# Allegro board pocketbeagle2-revA_241205.brd (continued)
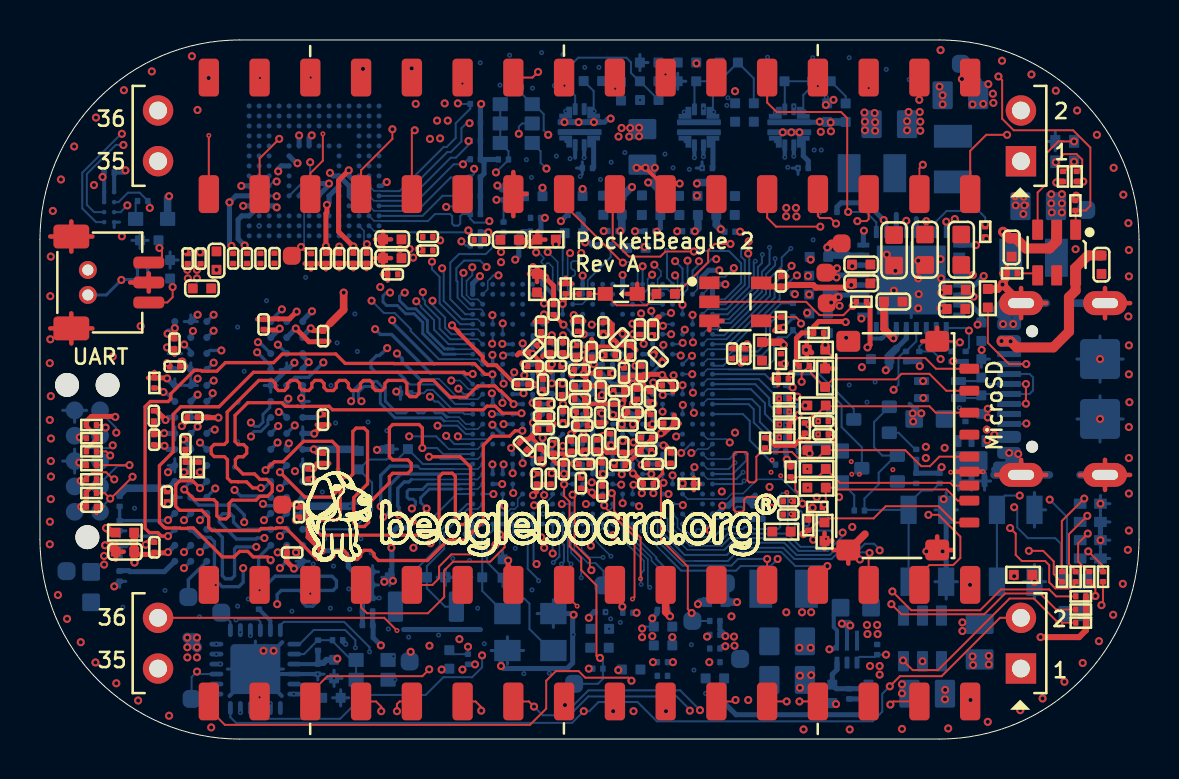
[diagram p0: board, top side]
## Routing (per net, layer and track width the routed paths; a pad name or vN(x,y) marks a point on that pad's centre or on a via; arc(x,y) is an arc through that point) (continued)
  BOTTOM w0.081: U1.AB24 33.41,21.52 34.1,21.52
  BOTTOM w0.102: v1(35.44,24.31) 35.49,24.26 35.49,22.66 34.36,21.52 34.1,21.52
AB25: length 37.3
  LYR2_GND w0.097: v4(11.01,33.09) 11.84,33.93 25.28,33.93 25.82,33.4 29.02,33.4 29.65,32.76 32.19,32.76 33.26,31.7 v2(34.88,31.7)
  LYR9_GND w0.097: v2(34.88,31.7) 35.19,31.39 35.19,30 35.85,29.34 35.85,24.26 35.8,24.21 v3(35.8,23.93)
  BOTTOM w0.102: U1.AB25 34.41,21.27 35.72,22.58 35.72,23.85 v3(35.8,23.93)
AC20: length 8.4
  TOP w0.102: v1(29.17,23.85) 29.14,23.85 26.23,26.76 P2.19
  BOTTOM w0.081: v1(29.17,23.85) 29.19,23.87 29.49,23.87 29.91,23.46 29.91,22.07 30.21,21.77 U1.AC20
AC21: length 53.9
  TOP w0.102: v1(22.08,1.42) 22.08,1.6 21.8,1.88 P1.23
  LYR3 w0.097: v1(31.78,23.21) 31.81,23.19 31.81,23.14 34.3,20.65 34.3,16.33 35.11,15.52 35.11,10.93 33.31,9.12 33.31,6.45 32.5,5.64 32.5,2.03 v2(31.99,1.52)
  LAY8 w0.097: v2(31.99,1.52) 31.28,0.81 28.43,0.81 27.19,2.06 22.72,2.06 v1(22.08,1.42)
  LYR9_GND w0.097: v1(22.08,1.42) 21.68,1.01 11.57,1.01 10.03,2.55 v3(10.03,5.34)
  BOTTOM w0.081: 31.91,23.03 31.91,22.02 U1.AC21
  BOTTOM w0.097: v1(31.78,23.21) 31.91,23.09
  BOTTOM w0.102: 31.91,23.09 31.91,23.03 ; U11.20 v3(10.03,5.34)
AC24: length 12.9
  TOP w0.102: v1(32.72,24.41) 31.3,24.41 31.05,24.15 29.47,24.15 28.66,24.97 28.66,27.17 P2.17
  BOTTOM w0.081: U1.AC24 33.41,22.02 34.27,22.02
  BOTTOM w0.102: 34.27,22.02 35.09,22.83 35.09,23.82 34.48,24.43 32.75,24.43 v1(32.72,24.41)
AC25: length 23.3
  TOP w0.102: P2.22 24.64,33.12 v1(24.93,33.4)
  LYR3 w0.097: v2(33.56,32.64) 33.28,32.92 29.85,32.92 29.5,33.27 25.05,33.27 v1(24.93,33.4)
  LAY8 w0.097: v1(35.47,24.92) 35.47,25.83 34.43,26.87 34.43,31.82 33.61,32.64 v2(33.56,32.64)
  BOTTOM w0.102: U1.AC25 34.3,21.77 35.27,22.74 35.27,23.97 35.09,24.15 35.09,24.54 v1(35.47,24.92)
AD18: length 35.8
  TOP w0.102: P1.6 44.01,8.21 44.51,8.71 45.7,8.71 46.06,9.07 46.06,10.13 44.97,11.23 v1(44.46,11.23)
  LYR3 w0.097: v1(30.63,23.25) 30.95,22.93 31.48,22.93 33.59,20.83 33.59,15.92 33.97,15.54 33.97,12.57 34.12,12.42 v1(34.12,12.39)
  LAY8 w0.097: v1(30.69,12.31) 31.12,11.89 31.87,11.89 32.25,12.27 34.02,12.27 34.12,12.36 v1(34.12,12.39) 34.2,12.47 34.48,12.47 ; 35.26,11.68 35.72,11.23 39.3,11.23 39.83,11.75 40.44,11.75 40.85,12.17 43.47,12.17 44.41,11.23 v1(44.46,11.23)
  LAY8 w0.102: 35.26,11.68 34.48,12.47
  BOTTOM w0.081: 30.41,23.02 30.41,22.52 U1.AD18
  BOTTOM w0.102: U1.E19 30.66,12.35 v1(30.69,12.31) ; v1(30.63,23.25) 30.41,23.02
AD21: length 19.5
  LYR2_GND w0.097: v4(38.92,32.69) 38.92,32.43 v2(38.77,32.28)
  LYR3 w0.097: v2(31.48,32.08) 33.66,32.08 34.63,33.04 35.21,33.04 35.62,32.64 38.41,32.64 v2(38.77,32.28)
  LAY8 w0.097: v2(31.48,32.08) 31.48,31.75 31.23,31.49 31.23,27.99 30.49,27.25 30.49,25.22 30.74,24.97 v1(30.74,23.75)
  BOTTOM w0.081: v1(30.74,23.75) 31.07,23.42 31.07,23.19 30.91,23.02 30.91,22.66 31.06,22.52 31.41,22.52 U1.AD21
AD22: length 57
  LYR3 w0.097: v1(33.03,1.45) 32.98,1.5 32.98,5.38 33.74,6.15 33.74,8.91 35.52,10.69 35.52,15.75 34.78,16.48 34.78,20.8 32.41,23.18 v1(32.41,23.95)
  LYR9_GND w0.097: v1(26.27,1.7) 25.79,1.22 22.56,1.22 22.13,0.79 11.51,0.79 9.69,2.61 9.69,5.87 9.79,5.97 v3(9.81,5.97)
  BOTTOM w0.081: U1.AD22 32.41,22.52 32.41,23.38
  BOTTOM w0.102: U11.22 11.03,5.87 10.91,5.99 9.84,5.99 v3(9.81,5.97) ; v1(32.41,23.95) 32.41,23.38 ; v1(26.27,1.7) 26.7,1.7 27.44,2.44 32.04,2.44 v1(33.03,1.45)
AD23: length 55.7
  TOP w0.102: P1.34 v4(8.79,7.72)
  LYR2_GND w0.097: v4(8.79,7.72) 10.32,7.72 10.93,7.11 12.81,7.11 14.03,5.89 21.19,5.89 v2(21.68,5.41)
  LYR3 w0.097: v2(35.59,2.95) 35.49,3.04 35.49,9.24 36.36,10.11 36.36,10.79 37,11.44 37,13.4 36.81,13.59 36.81,14.94 36.2,15.54 36.2,20.73 34.77,22.16
  LYR3 w0.102: v1(33.84,24.03) 33.51,23.7 33.51,22.63 33.97,22.17 34.76,22.17 34.77,22.16
  LAY8 w0.097: v2(21.68,5.41) 24.32,5.41 25.49,4.24 27.31,4.24 29.04,2.51 32.37,2.51 32.8,2.95 v2(35.59,2.95)
  BOTTOM w0.081: U1.AD23 32.91,22.52 32.91,22.87 32.9,22.88 32.9,22.89
  BOTTOM w0.102: 32.9,22.89 32.9,23.31 33.61,24.03 v1(33.84,24.03)
AD24: length 67
  LYR3 w0.097: v2(33.61,29.97) 33.99,29.59 46.92,29.59 47.58,28.93 P2.1 50.05,27.97 50.05,24.34 51.43,22.97 51.43,11.44 v2(50.53,10.54)
  LAY8 w0.097: v2(50.53,10.54) 50.12,10.95 46.49,10.95 45.91,10.36 43.93,10.36 43.02,9.45 v1(42.02,9.45) ; v1(34.72,23.58) 34.72,23.63 33.43,24.92 33.43,29.79 v2(33.61,29.97)
  BOTTOM w0.076: 32.15,9.72 32.39,9.47 34.25,9.47
  BOTTOM w0.081: U1.AD24 33.41,22.52 33.41,22.87 33.67,23.14 34.28,23.14 ; U1.B20 31.41,11.02 31.41,10.46 32.15,9.72
  BOTTOM w0.102: 34.25,9.47 34.6,9.83 37.25,9.83 37.85,9.22 39.53,9.22 39.86,9.55 41.06,9.55 41.28,9.78 41.74,9.78 42.02,9.5 v1(42.02,9.45) ; v1(34.72,23.58) 34.28,23.14
AE21: length 62
  LYR3 w0.097: v2(31.35,26.9) 25.28,26.9 22.89,29.28 10.5,29.28 8.95,27.74 4.33,27.74 3.44,28.62 3.01,28.62 2.68,28.29 2.68,27.76 v1(2.7,27.74)
  LAY8 w0.097: v1(2.7,27.74) 3.18,27.25 3.18,20.6 2.15,19.56 2.15,15.87 2.45,15.57 2.45,11.96 3.67,10.74 3.67,8.25 4.43,7.49 4.43,5.23 5.91,3.75 P1.35
  LYR9_GND w0.097: v2(31.35,26.9) v3(31.35,24.46)
  BOTTOM w0.097: 31.38,23.09 31.66,22.81
  BOTTOM w0.102: 31.38,23.09 31.38,24.43 v3(31.35,24.46) ; 31.66,22.81 U1.AE21
AE22: length 54.6
  TOP w0.102: P1.21 24.46,1.88 v1(24.72,1.62)
  LYR3 w0.097: v1(32.52,1.42) 32.68,1.58 32.68,1.59 32.75,1.67 32.75,5.51 33.51,6.27 33.51,9.02 35.29,10.8 35.29,15.67 34.53,16.43 34.53,20.75 32.16,23.12 32.16,23.55 v1(31.78,23.93)
  LYR9_GND w0.097: v1(24.72,1.62) 24.55,1.8 16.77,1.8 16.24,1.27 11.62,1.27 10.23,2.66 10.23,4.91 10.5,5.18 v3(10.53,5.18)
  BOTTOM w0.102: v1(32.52,1.42) 32.52,1.47 31.86,2.13 27.44,2.13 26.5,1.19 25.15,1.19 v1(24.72,1.62) ; U1.AE22 32.16,23.55 v1(31.78,23.93) ; U11.21 v3(10.53,5.18)
AE23: length 55.3
  TOP w0.102: v1(17.08,1.4) 17.08,1.62 16.82,1.88 P1.27
  LYR3 w0.097: v1(32.98,23.93) 32.93,23.87 32.93,22.93 34.71,21.16 35.19,21.16 35.9,20.45 35.9,17.85 35.49,17.45 35.49,16.46 35.9,16.05 35.9,16.03 35.92,16.01 35.92,10.46 34.22,8.76 34.22,5.62 33.94,5.33 33.94,1.85 v2(33.69,1.6)
  LAY8 w0.097: v2(9.22,4.25) 9.22,4.17 9.48,3.91 9.48,3.3 11.39,1.4 v1(17.08,1.4) 17.08,1.83 17.74,2.49 28.15,2.49 28.72,1.91 33.37,1.91 v2(33.69,1.6)
  LYR9_GND w0.097: v3(8.83,4.25) v2(9.22,4.25)
  BOTTOM w0.102: v1(32.98,23.93) 32.93,23.87 32.93,23.71 32.66,23.44 U1.AE23 ; U11.17 v3(8.83,4.25)
AIN5: length 72.2
  LYR3 w0.097: v2(35.21,26.84) 32.45,26.84 32.04,27.25 31.21,27.25 31.05,27.1 26.17,27.1 23.76,29.51 6.49,29.51 P2.35
  LAY8 w0.097: P2.35 3.64,26.66 3.64,20.12 2.59,19.07 2.59,16.08 2.91,15.77 2.91,12.14 4.07,10.97 4.07,8.46 5.29,7.24 6.92,7.24 8.47,5.69 8.47,3.91 v2(8.62,3.75) ; v2(35.21,26.84) 35.21,26.47 36.1,25.58 36.1,21.56 35.85,21.31 34.25,21.31 33.21,20.27 32.6,20.27 v1(32.17,19.84)
  LYR9_GND w0.097: v3(9.02,3.75) v2(8.62,3.75)
  BOTTOM w0.102: U11.16 v3(9.02,3.75) ; v1(32.17,19.84) 32.09,19.84 32.02,19.77 U1.W21
AIN7: length 63.3
  LYR3 w0.097: 27.33,11.77 v1(27.32,11.77) 27.21,11.66 27.21,11.35 26.88,11.02 26.88,9.5 27.31,9.07 27.95,9.07 28.18,8.84 28.18,5.99 26.03,3.85 26.03,3.47 24.34,1.78 10.1,1.78 v2(10.03,1.7)
  LAY8 w0.097: P2.36 4.81,30.37 4.81,28.29 3.44,26.92 3.44,20.42 2.39,19.38 2.39,15.97 2.67,15.69 2.67,12.07 3.87,10.87 3.87,8.36 5.19,7.04 6.84,7.04 8.27,5.61 8.27,3.57 10.03,1.82 v2(10.03,1.7)
  LYR9_GND w0.097: v3(10.03,1.33) v2(10.03,1.7)
  BOTTOM w0.081: U1.C13 v1(27.32,11.77)
  BOTTOM w0.102: U11.11 v3(10.03,1.33)
B3: length 44.2
  TOP w0.102: P1.28 16.07,6.59 16.37,6.3 19.41,6.3 20.23,7.11 20.23,8.44 20.67,8.88 22.53,8.88 23.25,9.61 23.25,10 v1(23.02,10.23)
  LYR3 w0.097: v1(34.78,15.34) 34.86,15.26 34.86,10.92 32.87,8.93 32.87,7.36 32.24,6.72 32.24,4.82 31.86,4.44 31.61,4.44 31.32,4.16 31.32,3.54 31.91,2.95 v2(32.11,2.95)
  LAY8 w0.097: v1(23.02,10.23) 23.15,10.11 23.15,9.5 23.05,9.4 23.05,7.41 25.81,4.65 28.83,4.65 30.18,3.3 31.76,3.3 v2(32.11,2.95) ; v1(31.84,15.15) 33.6,15.15 33.82,15.37 34.76,15.37 v1(34.78,15.34)
  BOTTOM w0.081: v1(23.02,10.23) 22.91,10.35 22.91,11.02 U1.B3
  BOTTOM w0.102: U1.K22 31.96,15.27 v1(31.84,15.15)
B5: length 56.4
  TOP w0.097: v1(44.18,28.75) 44.01,28.58 P2.5
  LYR3 w0.097: v1(44.18,28.75) 46.8,28.75 47.96,27.59 49.41,27.59 49.66,27.34 49.66,24.18 51.03,22.81 51.03,11.91 49.66,10.53 v2(49.21,10.53)
  LAY8 w0.097: v1(28.69,10.21) 28.71,10.21 29.05,9.87 32.28,9.87 32.75,9.4 37.04,9.4 38.13,8.3 41.06,8.3 41.69,8.94 42.93,8.94 44.08,10.08 48.76,10.08 v2(49.21,10.53)
  LYR9_GND w0.097: v1(28.69,10.21) 28.61,10.29 26.88,10.29 26.63,10.03 25.59,10.03 25.05,10.57 24.49,10.57 24.11,10.18 v3(24.11,10.16)
  BOTTOM w0.081: U1.C15 28.66,11.62 28.41,11.37 28.41,10.49 v1(28.69,10.21) ; U1.B5 23.91,11.02 23.91,10.57 24.11,10.36 v3(24.11,10.16)
B13: length 84
  TOP w0.102: v1(17.64,30.53) 17.64,30.05 16.07,28.48 P2.27
  LYR3 w0.097: v1(17.64,30.53) 18.12,30.53 19.8,32.21 25.51,32.21 25.99,31.72 28.43,31.72 28.84,31.32 30.23,31.32 31.66,29.89 33.11,29.89 33.61,29.39 46.74,29.39 48.35,27.79 49.59,27.79 49.86,27.52 49.86,24.26 51.23,22.89 51.23,11.75 48.8,9.32 v2(48.8,8.69)
  LAY8 w0.097: v2(48.8,8.69) 46.82,8.69 46.41,8.28 42.05,8.28 41.46,7.69 37.75,7.69 36.98,8.46 29.29,8.46 v2(28.99,8.76)
  LYR9_GND w0.097: v3(28.18,9.09) 28.2,9.09 28.53,8.76 v2(28.99,8.76)
  BOTTOM w0.081: U1.B13 27.41,11.02 27.41,10.58 27.11,10.29 27.11,9.47 27.49,9.09 v3(28.18,9.09)
B14: length 71.9
  TOP w0.102: P2.25 18.61,30.33 v1(18.75,30.48)
  LYR3 w0.097: v1(18.75,30.48) 19.64,31.37 24.95,31.37 25.89,30.43 28.08,30.43 28.86,29.64 33,29.64 33.46,29.18 42.5,29.18 44.38,27.3 44.38,26.57 44.79,26.16 44.79,25.81 46.07,24.52 46.07,21.59 45.63,21.14 45.63,19.68 46.14,19.18 46.14,11.89 46.36,11.66 46.36,10.57 46.19,10.39 v2(46.19,8.96)
  LAY8 w0.097: v2(46.19,8.96) 46.19,8.91 45.8,8.53 42,8.53 41.36,7.9 37.88,7.9 37.12,8.66 29.72,8.66 29.28,9.11
  LAY8 w0.102: v2(29.17,9.3) 29.17,9.22 29.28,9.11
  LYR9_GND w0.102: v2(29.17,9.3) 29.03,9.16 v3(28.57,9.16)
  BOTTOM w0.081: v3(28.57,9.16) 27.82,9.9 27.82,10.51 27.91,10.6 27.91,11.02 U1.B14
B15: length 42.6
  TOP w0.102: P2.11 36.39,26.1 36.84,25.65 v1(39.05,25.65)
  LYR3 w0.097: v1(39.05,25.65) 39.15,25.65 39.38,25.42 39.43,25.42 41.87,22.99 41.87,19.46 41.54,19.12 41.54,17.98 41.84,17.68 41.84,17.04 42.41,16.47 42.41,10.37 v2(42.22,10.18)
  LAY8 w0.097: 25.37,11.2 28.3,11.2 v2(28.33,11.17) 29.04,11.17 29.88,10.34 32.5,10.34 32.95,9.88 37.19,9.88 37.85,9.22 40.39,9.22 41.36,10.18 v2(42.22,10.18)
  LAY8 w0.102: v1(23.68,12.32) 23.68,12.11 24.6,11.2 25.37,11.2
  LYR9_GND w0.097: v2(28.33,11.17) 28.38,11.23 v3(28.69,11.23)
  BOTTOM w0.081: 28.69,11.24 U1.B15
  BOTTOM w0.097: v3(28.69,11.23) 28.69,11.24
  BOTTOM w0.102: U1.E5 23.66,12.34 v1(23.68,12.32)
B17: length 50.6
  TOP w0.102: P1.36 17.23,6.07 v4(17.87,5.43)
  LYR2_GND w0.097: v2(31.56,7.11) 31.94,6.73 31.94,5.91 30.77,4.75 21.79,4.75 21.11,5.43 v4(17.87,5.43)
  LYR3 w0.097: v2(33.94,18.69) 33.94,16 34.19,15.76 34.19,14.41 34.48,14.12 34.48,11.35 34.2,11.07 33.71,11.07 31.56,8.91 v2(31.56,7.11)
  LAY8 w0.097: v2(31.56,7.11) 31.58,7.14 ; v1(31.2,19.73) 31.2,19.33 31.81,18.72 33.92,18.72 v2(33.94,18.69)
  LYR9_GND w0.097: v2(31.56,7.11) 31.38,7.29 v3(31.38,7.52)
  BOTTOM w0.081: 30.84,9.1 29.85,10.09 29.85,10.51 29.9,10.57 29.9,10.66 29.91,10.66 29.91,10.87 29.9,10.87 29.9,11.02 U1.B17
  BOTTOM w0.102: v3(31.38,7.52) 31.38,8.48 30.84,9.02 30.84,9.1 ; v1(31.2,19.73) 31.16,19.69 U1.V20
BAT_TS: length 29.2
  TOP w0.102: v1(47.96,33.17) 48.15,32.99 48.15,31.05 48.73,30.48 51.7,30.48 52.56,29.61 52.56,26.69 52.33,26.46 R47.1 51.83,26.45 U5.1
  LYR2_GND w0.097: v2(31.73,33.27) v4(31.3,33.27)
  LYR3 w0.097: v2(31.73,33.27) 35.31,33.27 35.59,32.99 40.8,32.99 41.51,33.7 47.43,33.7 v1(47.96,33.17)
BOOTMODE0: length 4.8
  BOTTOM w0.102: R183.2 36.74,13.74 35.52,14.96 35.52,15.93 35.18,16.27 U1.M25
BOOTMODE1: length 6.1
  TOP w0.102: R182.2 v4(37,15.1)
  LYR2_GND w0.097: v4(37,15.1) 37.31,15.1 v2(37.4,15.01)
  LAY8 w0.097: v2(37.4,15.01) 36.74,15.01 35.42,16.33 v1(32.72,16.33)
  BOTTOM w0.102: U1.N23 32.66,16.4 v1(32.72,16.33)
BOOTMODE2: length 5
  BOTTOM w0.081: 34.65,17.02 33.41,17.02 U1.N24
  BOTTOM w0.102: 34.65,17.02 35.62,17.02 36.03,16.61 36.03,15.87 R49.1
BOOTMODE3: length 8.6
  BOTTOM w0.102: U1.N25 35.46,16.77 35.72,16.51 35.72,15.85 36.48,15.09 36.48,14.73 R180.2 37,14.59 37,14.6 37.15,14.75 37.63,14.75 R71.1 38.31,14.73 39.83,14.73 D1.1
BOOTMODE4: length 4.8
  BOTTOM w0.081: 34.5,17.52 33.41,17.52 U1.P24
  BOTTOM w0.102: R196.1 36.28,16.28 36.28,16.81 35.58,17.52 34.5,17.52
BOOTMODE5: length 6.9
  TOP w0.102: R195.1 37.82,17.06 v1(37.91,17.14)
  LAY8 w0.097: v1(32.16,17.72) 36.8,17.72 37.37,17.14 v1(37.91,17.14)
  BOTTOM w0.102: U1.P22 v1(32.16,17.72)
BOOTMODE6: length 7
  TOP w0.102: R177.2 v4(37.01,15.75)
  LYR2_GND w0.097: v4(37.01,15.75) 36.76,16 v2(36.76,16.03)
  LAY8 w0.097: v1(31.16,17.23) 32.23,17.23 32.48,16.98 35.82,16.98 36.76,16.04 v2(36.76,16.03)
  BOTTOM w0.102: v1(31.16,17.23) 31.21,17.27 U1.P21
BOOTMODE7: length 6.1
  TOP w0.102: R193.1 37.49,16.39 v4(37.5,16.38)
  LYR2_GND w0.097: v4(37.5,16.38) 37.49,16.39 37.49,16.6 v2(37.6,16.71)
  LAY8 w0.097: v1(32.67,17.34) 36.75,17.34 37.42,16.67 37.55,16.67 v2(37.6,16.71)
  BOTTOM w0.102: U1.R23 32.66,17.39 32.67,17.37 32.67,17.34 v1(32.67,17.34)
BOOTMODE8: length 4.2
  BOTTOM w0.081: U1.R24 33.41,18.02 34.43,18.02
  BOTTOM w0.102: 34.43,18.02 35.98,18.02 36.81,17.18 R192.1
BOOTMODE9: length 3.9
  BOTTOM w0.102: U1.R25 35.79,17.77 36.5,17.07 36.5,16.72 R174.2
BOOTMODE10: length 3.4
  BOTTOM w0.102: R173.2 36.27,18.27 U1.T25
BOOTMODE11: length 13.6
  TOP w0.102: R172.1 37.45,18.11 v1(37.6,18.26)
  LAY8 w0.097: v1(31.71,18.21) 31.72,18.23 32.21,18.23 32.5,17.93 37.27,17.93 v1(37.6,18.26)
  BOTTOM w0.102: v1(37.6,18.26) 38.59,18.26 40.12,16.74 40.12,15.62 41.13,14.61 Q2.3 ; U1.R21 31.66,18.16 v1(31.71,18.21)
BOOTMODE12: length 5.3
  LAY8 w0.097: v1(37.27,18.79) 36.92,18.44 36.05,18.44 35.88,18.27 v1(32.64,18.27)
  BOTTOM w0.102: U1.T22 v1(32.64,18.27)
BOOTMODE13: length 11.7
  BOTTOM w0.081: U1.T24 33.41,18.52 34.46,18.52 34.47,18.51
  BOTTOM w0.102: 34.47,18.51 36.25,18.51 36.74,19 36.74,19.91 36.94,20.12 37.37,20.12 37.68,20.42 R170.1 37.85,20.29 37.85,19.4 40.73,16.53 Q1.3
BOOTMODE14: length 5.3
  BOTTOM w0.102: R91.1 36.84,21.13 36.53,20.83 36.53,19.61 36.13,19.2 34.71,19.2 34.19,18.69 33.74,18.69 U1.U25
BOOTMODE15: length 6.5
  BOTTOM w0.081: U1.U24 33.41,19.02 34.27,19.02 34.65,19.4 35.19,19.4
  BOTTOM w0.102: R93.1 37.09,21.82 36.33,21.06 36.33,19.81 35.92,19.4 35.19,19.4
CC1: length 5
  TOP w0.102: v1(49.36,18.77) 48.49,18.77 47.43,19.83 R129.1
  BOTTOM w0.102: J14.A5 v1(49.36,18.77)
CC2: length 9.8
  LYR3 w0.097: v1(49.36,15.8) 47.58,14.02 47.58,13.11 47.95,12.74 47.95,8.88 48.68,8.15 v1(48.75,8.15)
  BOTTOM w0.102: J14.B5 49.34,15.77 v1(49.36,15.8)
CHG_N: length 5.6
  TOP w0.102: U5.3 49.93,27.36 50.38,27.81 50.38,29.34 50.96,29.92 v1(51.75,29.92)
D6: length 37.2
  TOP w0.102: P1.26 19.64,7.72 19.97,8.05 19.97,8.63 20.58,9.24 22.31,9.24 v1(22.79,9.73)
  LYR3 w0.097: v1(34.52,14.85) 34.65,14.71 34.65,11.07 32.67,9.09 32.67,7.44 32.04,6.81 32.04,4.98 31.73,4.67 31.33,4.67 31.07,4.42 31.07,3.3 31.48,2.89 v2(31.48,2.87)
  LAY8 w0.097: v2(31.48,2.87) 31.43,2.92 30.28,2.92 28.76,4.44 25.64,4.44 22.79,7.29 v1(22.79,9.73)
  BOTTOM w0.081: U1.D6 23.91,12.02 23.91,11.66 23.76,11.52 23.55,11.52 23.41,11.37 23.41,10.06 23.07,9.73 v1(22.79,9.73) ; 34.35,15.02 33.41,15.02 U1.K24
  BOTTOM w0.102: v1(34.52,14.85) 34.35,15.02
D14: length 25.7
  TOP w0.102: v1(28.24,11.7) 28.24,11.64 29.75,10.13 29.75,7.11 v4(29.65,7.01) ; P1.32 v4(10.99,7.45)
  LYR2_GND w0.097: v4(29.65,7.01) 29.63,6.98 26.25,6.98 25.51,6.25 13.95,6.25 12.75,7.45 v4(10.99,7.45)
  BOTTOM w0.102: U1.D14 28.24,12.19 v1(28.24,11.7)
D20: length 30
  LYR3 w0.097: v1(30.21,19.79) 30.12,19.7 30.12,14.28 30.95,13.46 30.95,13.08 30.87,13 30.87,12.67 31.28,12.27 v1(31.45,12.27) ; v1(46.54,7.72) 46.72,7.9 46.72,11.94 v2(46.95,12.17)
  LAY8 w0.097: v1(31.45,12.27) 31.74,12.27 31.91,12.44 33.56,12.44 34.35,13.23 36.74,13.23 37.5,12.47 46.64,12.47 v2(46.95,12.17)
  BOTTOM w0.102: v1(31.45,12.27) U1.D20 ; U1.Y18 30.16,19.84 v1(30.21,19.79)
DDR_A0: length 29
  LAY8 w0.152: v1(11.23,10.06) 11.23,10.43 11.09,10.58 10.56,10.58 10.12,10.13 10.12,9.37 10.52,8.96 10.52,8.78 12.3,7.01 17.85,7.01 20.58,9.74 20.58,14.02 20.45,14.15 19.92,14.15 19.77,14.3 19.77,14.62 v1(20.33,15.18)
  BOTTOM w0.102: U1.J1 20.74,14.77 v1(20.33,15.18)
  BOTTOM w0.168: U2.P3 10.39,10.5 10.38,10.48 10.06,10.48 9.69,10.86 9.69,11.12 9.53,11.28 9.14,11.28 8.97,11.11 8.97,10.87 9.83,10.02 10.82,10.02 10.86,10.06 v1(11.23,10.06)
DDR_A1: length 29.3
  LAY8 w0.152: v1(18.47,15.15) 18.8,14.82 18.8,14.3 19.34,13.77 20.07,13.77 20.23,13.61 20.23,11.28 20.07,11.12 19.69,11.12 19.54,10.97 19.54,10.67 19.69,10.51 20.07,10.51 20.23,10.36 20.23,9.9 19.81,9.49 19.79,9.49 17.69,7.39 12.45,7.39 11.08,8.76 11.08,9.36 v1(10.82,9.62)
  BOTTOM w0.081: U1.J2 21.91,14.52 20.46,14.52 20.23,14.75
  BOTTOM w0.102: 20.23,14.75 19.82,15.15 v1(18.47,15.15)
  BOTTOM w0.168: U2.P7 8.73,10.5 9.13,10.1 9.13,8.18 9.28,8.03 9.58,8.03 9.74,8.18 9.74,9.52 9.83,9.62 v1(10.82,9.62)
DDR_A2: length 29.7
  LAY8 w0.152: v1(11.87,6.76) 12,6.63 18.01,6.63 20.91,9.53 20.91,14.17 20.51,14.58 20.51,14.75 v1(20.91,15.15)
  BOTTOM w0.081: v1(20.91,15.15) 20.94,15.15 21.07,15.02 22.41,15.02 U1.K3
  BOTTOM w0.168: v1(11.87,6.76) 11.87,7.24 12.07,7.44 12.98,7.44 13.15,7.27 13.15,6.82 13.32,6.65 13.65,6.65 13.82,6.82 13.82,7.27 13.99,7.44 14.67,7.44 14.84,7.61 14.84,7.93 14.61,8.15 11.77,8.15 11.39,7.77 10.95,7.77 10.75,7.96 10.75,8.26 10.94,8.45 10.94,9.09 U2.R3
DDR_A3: length 28.5
  LAY8 w0.152: v1(23.2,15.77) 23.2,15.41 22.28,14.5 22.28,8.7 18.69,5.1 11.15,5.1 8.98,7.28 8.98,10.62 8.63,10.96 v1(8.01,10.96)
  BOTTOM w0.168: U2.N7 v1(8.01,10.96) ; U1.L5 v1(23.2,15.77)
DDR_A4: length 28.6
  LAY8 w0.152: v1(22.64,15.74) 21.9,15 21.9,8.86 18.53,5.49 11.31,5.49 9.36,7.44 9.36,10.77 9.85,11.26 10.41,11.26 10.67,11 10.68,11 10.71,10.96 v1(11.21,10.96)
  BOTTOM w0.168: U2.N3 v1(11.21,10.96) ; v1(22.64,15.74) 23.11,15.27 U1.K4
DDR_A5: length 29.1
  LAY8 w0.152: v1(19.9,15.69) 21.1,15.69 21.27,15.51 21.27,9.36 18.16,6.25 11.69,6.25 10.17,7.77 v1(10.17,8.56)
  BOTTOM w0.102: U1.K1 21.31,15.27 20.89,15.69 v1(19.9,15.69)
  BOTTOM w0.168: U2.P8 7.94,10.11 8.18,10.11 8.19,10.1 8.51,10.1 8.73,9.88 8.73,8.01 9.12,7.63 9.95,7.63 10.17,7.85 v1(10.17,8.56)
DDR_A6: length 28.6
  LAY8 w0.152: v1(20.58,17.95) 20.58,17.7 19.14,16.25 17.98,16.25 17.35,15.62 17.35,14.07 18.04,13.38 18.04,12.2 17.88,12.04 17.64,12.04 17.48,12.19 17.48,13.2 17.33,13.35 17.08,13.35 16.93,13.2 16.93,12.06 16.67,11.81 16.67,11.49 16.77,11.39 16.77,11.11 16.63,10.97 16.63,10.4 16.44,10.22 16.11,10.22 15.96,10.37 15.96,11.4 15.81,11.56 13.28,11.56 13.16,11.44 13.16,11.12 13.31,10.97 15.33,10.97 15.49,10.82 15.49,10.6 15.33,10.45 14.12,10.45 13.93,10.26 13.93,9.82 13.79,9.69 13.59,9.69 13.36,9.91 13.36,10.42 13.2,10.58 12.21,10.58 12.01,10.37 v1(12.01,10.16)
  BOTTOM w0.081: v1(20.58,17.95) 21.01,17.95 21.44,17.52 21.91,17.52 U1.R2
  BOTTOM w0.168: U2.P2 v1(12.01,10.16)
DDR_A7: length 28.9
  LAY8 w0.152: v1(17.87,19.3) 17.87,19.76 17.81,19.81 17.81,20.34 17.66,20.5 17.38,20.5 17.23,20.34 17.23,19.98 17.08,19.82 16.58,19.82 15.83,20.57 14.1,20.57 13.71,20.18 12.97,20.18 12.96,20.17 12.16,20.17 12.15,20.17 11.72,20.17 11.59,20.29 10.45,20.29 9.07,18.91 9.07,18.68 8.83,18.44 7.58,18.44 7.12,17.98 7.12,17.16 6.69,16.73 6.69,15.62 6.61,15.54 6.61,13.69 6.79,13.52 6.79,10.32 6.84,10.26 6.84,9.72 v1(7.21,9.36)
  BOTTOM w0.081: 18.99,18.04 19.96,18.04 20.98,17.02 21.91,17.02 U1.P2
  BOTTOM w0.168: 18.99,18.04 18.13,18.9 18.13,19.04 v1(17.87,19.3) ; U2.R8 v1(7.21,9.36)
DDR_A8: length 28.9
  LAY8 w0.152: v1(20.94,17.54) 20.69,17.29 20.69,17.12 20.49,16.92 20.21,16.92 19.16,15.87 18.14,15.87 17.73,15.46 17.73,14.85 18.04,14.54 18.04,13.92 18.6,13.36 18.6,13.13 18.75,12.98 19.26,12.98 19.41,12.83 19.41,12.52 19.26,12.37 18.75,12.37 18.6,12.22 18.6,12 18.21,11.61 17.81,11.61 17.58,11.38 17.58,10.95 17.69,10.84 18.14,10.84 18.27,10.72 18.27,10.29 18.12,10.13 17.43,10.13 17.12,9.83 14.64,9.83 14.49,9.68 14.49,9.42 14.64,9.27 17.18,9.27 17.33,9.12 17.33,8.89 17.18,8.74 15.68,8.74 15.55,8.61 15.55,8.28 15.45,8.18 14.94,8.18 14.84,8.28 14.84,8.61 14.72,8.73 14.51,8.73 14.37,8.58 14.37,8.43 14.21,8.28 14,8.28 13.85,8.43 13.85,8.58 13.69,8.74 13.45,8.74 13.29,8.89 13.29,9.42 12.96,9.75 12.3,9.75 v1(11.9,9.35)
  BOTTOM w0.102: v1(20.94,17.54) 21.21,17.27 U1.P1
  BOTTOM w0.168: U2.R2 12.02,9.37 11.92,9.37 v1(11.9,9.35)
DDR_A9: length 28.8
  LAY8 w0.152: v1(8.01,9.36) 8.01,10.38 7.6,10.79 7.6,11.13 7.63,11.15 7.63,11.43 7.78,11.58 9.63,11.58 9.69,11.64 10.57,11.64 10.83,11.38 11.3,11.38 11.59,11.67 11.59,12.72 11.33,12.98 10.96,12.98 9.74,14.2 9.74,14.87 10.07,15.2 10.07,16.04 11.03,16.99 11.94,16.99 12.27,16.66 13.2,16.66 13.53,16.99 14.59,16.99 14.92,16.66 15.28,16.66 15.41,16.53 16.47,16.53 17.45,17.52 17.45,17.56 17.67,17.78 18.98,17.78 19.85,18.64 20.83,18.64 21.8,17.67 22.76,17.67 23.14,17.29 v1(23.14,16.83)
  BOTTOM w0.168: U1.P4 23.16,16.84 v1(23.14,16.83) ; U2.R7 v1(8.01,9.36)
DDR_A10: length 28.8
  LAY8 w0.152: v1(9.74,12.47) 9.48,12.73 9.35,12.73 8.34,13.74 8.34,14.64 8.39,14.68 8.39,15 8.34,15.05 8.34,15.83 8.55,16.04 8.55,16.25 8.78,16.48 8.9,16.48 9.45,17.03 9.45,17.52 9.46,17.52 9.46,17.91 9.94,18.39 11.39,18.39 11.69,18.69 12.25,18.69 12.48,18.46 12.89,18.46 12.9,18.47 14.34,18.47 14.56,18.7 14.56,19.63 14.74,19.81 15.52,19.81 16.4,18.92 18.01,18.92 18.23,19.15 18.23,19.16 18.25,19.18 18.25,20.83 18.6,21.18 20.73,21.18 22.31,19.6 22.31,19.1 22.5,18.9 23,18.9 23.04,18.87 23.22,18.87 v1(23.73,18.36)
  BOTTOM w0.168: v1(23.73,18.36) 23.66,18.29 U1.R5 ; U2.M3 11.48,12.17 11.35,12.17 11.34,12.17 10.04,12.17 v1(9.74,12.47)
DDR_A11: length 28.6
  LAY8 w0.152: v1(12.01,8.56) 12.77,7.8 13.06,7.8 13.23,7.97 13.67,7.97 13.84,7.8 15.93,7.8 16.49,8.36 18.12,8.36 19.08,9.32 19.08,11.23 18.98,11.33 18.98,11.71 19.26,11.99 19.67,11.99 19.82,12.14 19.82,13.33 19.67,13.49 19.03,13.49 18.42,14.1 18.42,14.7 18.11,15.01 18.11,15.3 18.33,15.52 18.62,15.52 19.22,14.92 19.49,14.92 19.71,15.14 19.71,15.35 19.49,15.57 19.49,15.79 19.75,16.05 20.38,16.05 20.48,16.15 20.48,16.38 21.04,16.94 21.29,16.94 21.4,16.84 21.4,16.05 21.53,15.92 21.74,15.92 21.98,16.15 21.98,16.76 22.16,16.94 22.52,16.94 23.21,16.25 23.61,16.25 23.88,15.98 24.24,15.98 24.43,16.18 24.43,16.45 24.2,16.68 v1(24.2,17.31)
  BOTTOM w0.168: v1(24.2,17.31) 24.16,17.27 U1.P5 ; U2.T2 v1(12.01,8.56)
DDR_A12: length 28.4
  LAY8 w0.152: v1(8.77,12.55) 8.77,12.15 8.9,12.02 9.96,12.02 10.12,12.17 10.12,12.27 10.14,12.3 10.14,12.64 9.91,12.88 9.87,12.88 9.63,13.11 9.51,13.11 8.77,13.85 8.77,14.98 9.31,15.52 9.31,16.35 9.83,16.87 9.83,17.44 10.35,17.96 11.68,17.96 11.75,18.03 14.44,18.03 14.94,18.54 14.94,18.95 15.22,19.23 15.56,19.23 16.25,18.54 18.28,18.54 18.63,18.89 18.63,20.5 18.91,20.78 20.06,20.78 20.49,20.34 21.07,20.34 21.88,19.53 21.88,19.1 22.39,18.59 22.97,18.59 23.6,17.96 23.99,17.96 v1(24.24,18.21)
  BOTTOM w0.168: v1(8.77,12.55) 8.35,12.12 U2.M7 ; v1(24.24,18.21) 24.16,18.13 U1.R6
DDR_A13: length 29.3
  LAY8 w0.152: v1(7.21,8.56) 6.79,8.98 6.25,8.98 5.83,9.4 5.83,16.41 6.74,17.32 6.74,19.05 6.96,19.28 7.45,19.28 8.01,19.84 8.92,19.84 10.11,21.02 16.28,21.02 v1(16.77,20.52)
  BOTTOM w0.102: U1.R1 21.11,18.31 19.54,18.31
  BOTTOM w0.168: U2.T8 v1(7.21,8.56) ; 19.54,18.31 17.6,20.26 17.04,20.26 v1(16.77,20.52)
DDR_A14_WEN: length 28.6
  LAY8 w0.152: v1(22.61,17.31) 21.73,17.31 20.73,18.31 20.38,18.31 19.59,17.52 19.16,17.52 18.65,17.02 17.49,17.02 16.62,16.15 14.66,16.15 14.49,15.98 14.49,15.67 14.33,15.52 14.03,15.52 13.85,15.7 13.85,15.9 13.6,16.15 12.55,16.15 12.33,15.93 12.33,15.48 12.48,15.32 13.17,15.32 13.32,15.17 13.32,14.46 13.19,14.32 11.77,14.32 11.51,14.58 11.51,15 11.54,15.03 11.54,16.53 11.46,16.6 11.18,16.6 10.94,16.36 10.94,14.99 10.72,14.76 10.39,14.76 10.19,14.57 10.19,14.28 10.61,13.87 12.93,13.87 13.27,13.53 13.27,12.71 13.12,12.56 v1(12.01,12.56)
  BOTTOM w0.168: U2.L2 v1(12.01,12.56) ; U1.N3 22.66,17.27 v1(22.61,17.31)
DDR_A15_CAS: length 28.9
  LAY8 w0.152: v1(22.62,16.28) 21.57,15.23 21.57,9.32 21.52,9.27 21.52,9.02 18.37,5.87 11.46,5.87 9.74,7.59 9.74,10.37 v1(10.22,10.86)
  BOTTOM w0.168: v1(10.22,10.86) 10.22,11.23 9.73,11.71 7.94,11.71 U2.M8 ; v1(22.62,16.28) 22.66,16.28 22.67,16.27 U1.M4
DDR_A16_RAS: length 28.2
  TOP w0.168: v1(24.1,16.31) 23.14,16.31 22.99,16.46 22.99,16.46 22.78,16.67 22.37,16.67 22.18,16.48 14.64,16.48 14.46,16.66 13.25,16.66 13.24,16.65 12.9,16.65 12.89,16.66 12.28,16.66 12.1,16.84 10.4,16.84 9.76,16.2 9.76,14.89 9.91,14.74 10.19,14.74 10.35,14.59 10.35,14.31 10.17,14.13 9.91,14.13 9.78,14 9.78,13.65 10.15,13.27 10.74,13.27 11.01,13 11.35,13 11.62,12.73 11.62,12.39 11.39,12.15 11,12.15 10.81,11.96 9.63,11.96 9.46,11.79 9.46,11.17 9.31,11.02 9,11.02 8.85,11.17 8.85,11.84 8.7,11.99 7.73,11.99 v1(7.22,12.5)
  BOTTOM w0.168: v1(24.1,16.31) 24.05,16.27 U1.M5 ; v1(7.22,12.5) 7.22,12.57 U2.L8
DDR_ACTN: length 28.1
  TOP w0.168: v1(11.06,12.57) 10.64,12.57 10.34,12.88 9.92,12.88 9.91,12.88 9.57,12.88 9.38,13.07 9.38,13.99 9.23,14.14 8.72,14.14 8.57,14.29 8.57,14.6 8.72,14.75 9.23,14.75 9.37,14.89 9.37,16.37 10.95,17.96 11.63,17.96 11.78,17.8 11.78,17.6 11.93,17.45 12.23,17.45 12.39,17.6 12.39,17.8 12.54,17.96 12.84,17.96 13,17.8 13,17.6 13.11,17.48 13.24,17.48 13.28,17.45 13.45,17.45 13.61,17.6 13.61,17.8 13.76,17.96 14.06,17.96 14.22,17.8 14.22,17.6 14.37,17.45 14.67,17.45 14.83,17.6 14.83,17.8 14.98,17.96 15.28,17.96 15.44,17.8 15.44,17.6 15.59,17.45 15.89,17.45 16.04,17.6 16.04,17.8 16.2,17.96 16.5,17.96 16.65,17.8 16.65,17.6 16.81,17.45 17.11,17.45 17.26,17.6 17.26,17.8 17.42,17.96 18.21,17.96 18.36,17.8 18.36,17.3 18.51,17.14 18.82,17.14 18.97,17.3 18.97,17.8 19.12,17.96 19.69,17.96 20.53,17.12 21.35,17.12 21.9,17.68 22.46,17.68 22.46,17.68 22.77,17.68 23.01,17.44 23.06,17.44 23.7,16.8 v1(23.7,16.77)
  BOTTOM w0.168: v1(11.06,12.57) 11.22,12.57 U2.L3 ; U1.N6 v1(23.7,16.77)
